# Altium PCB MBoard.PcbDoc (part 1 of 2) (continued)
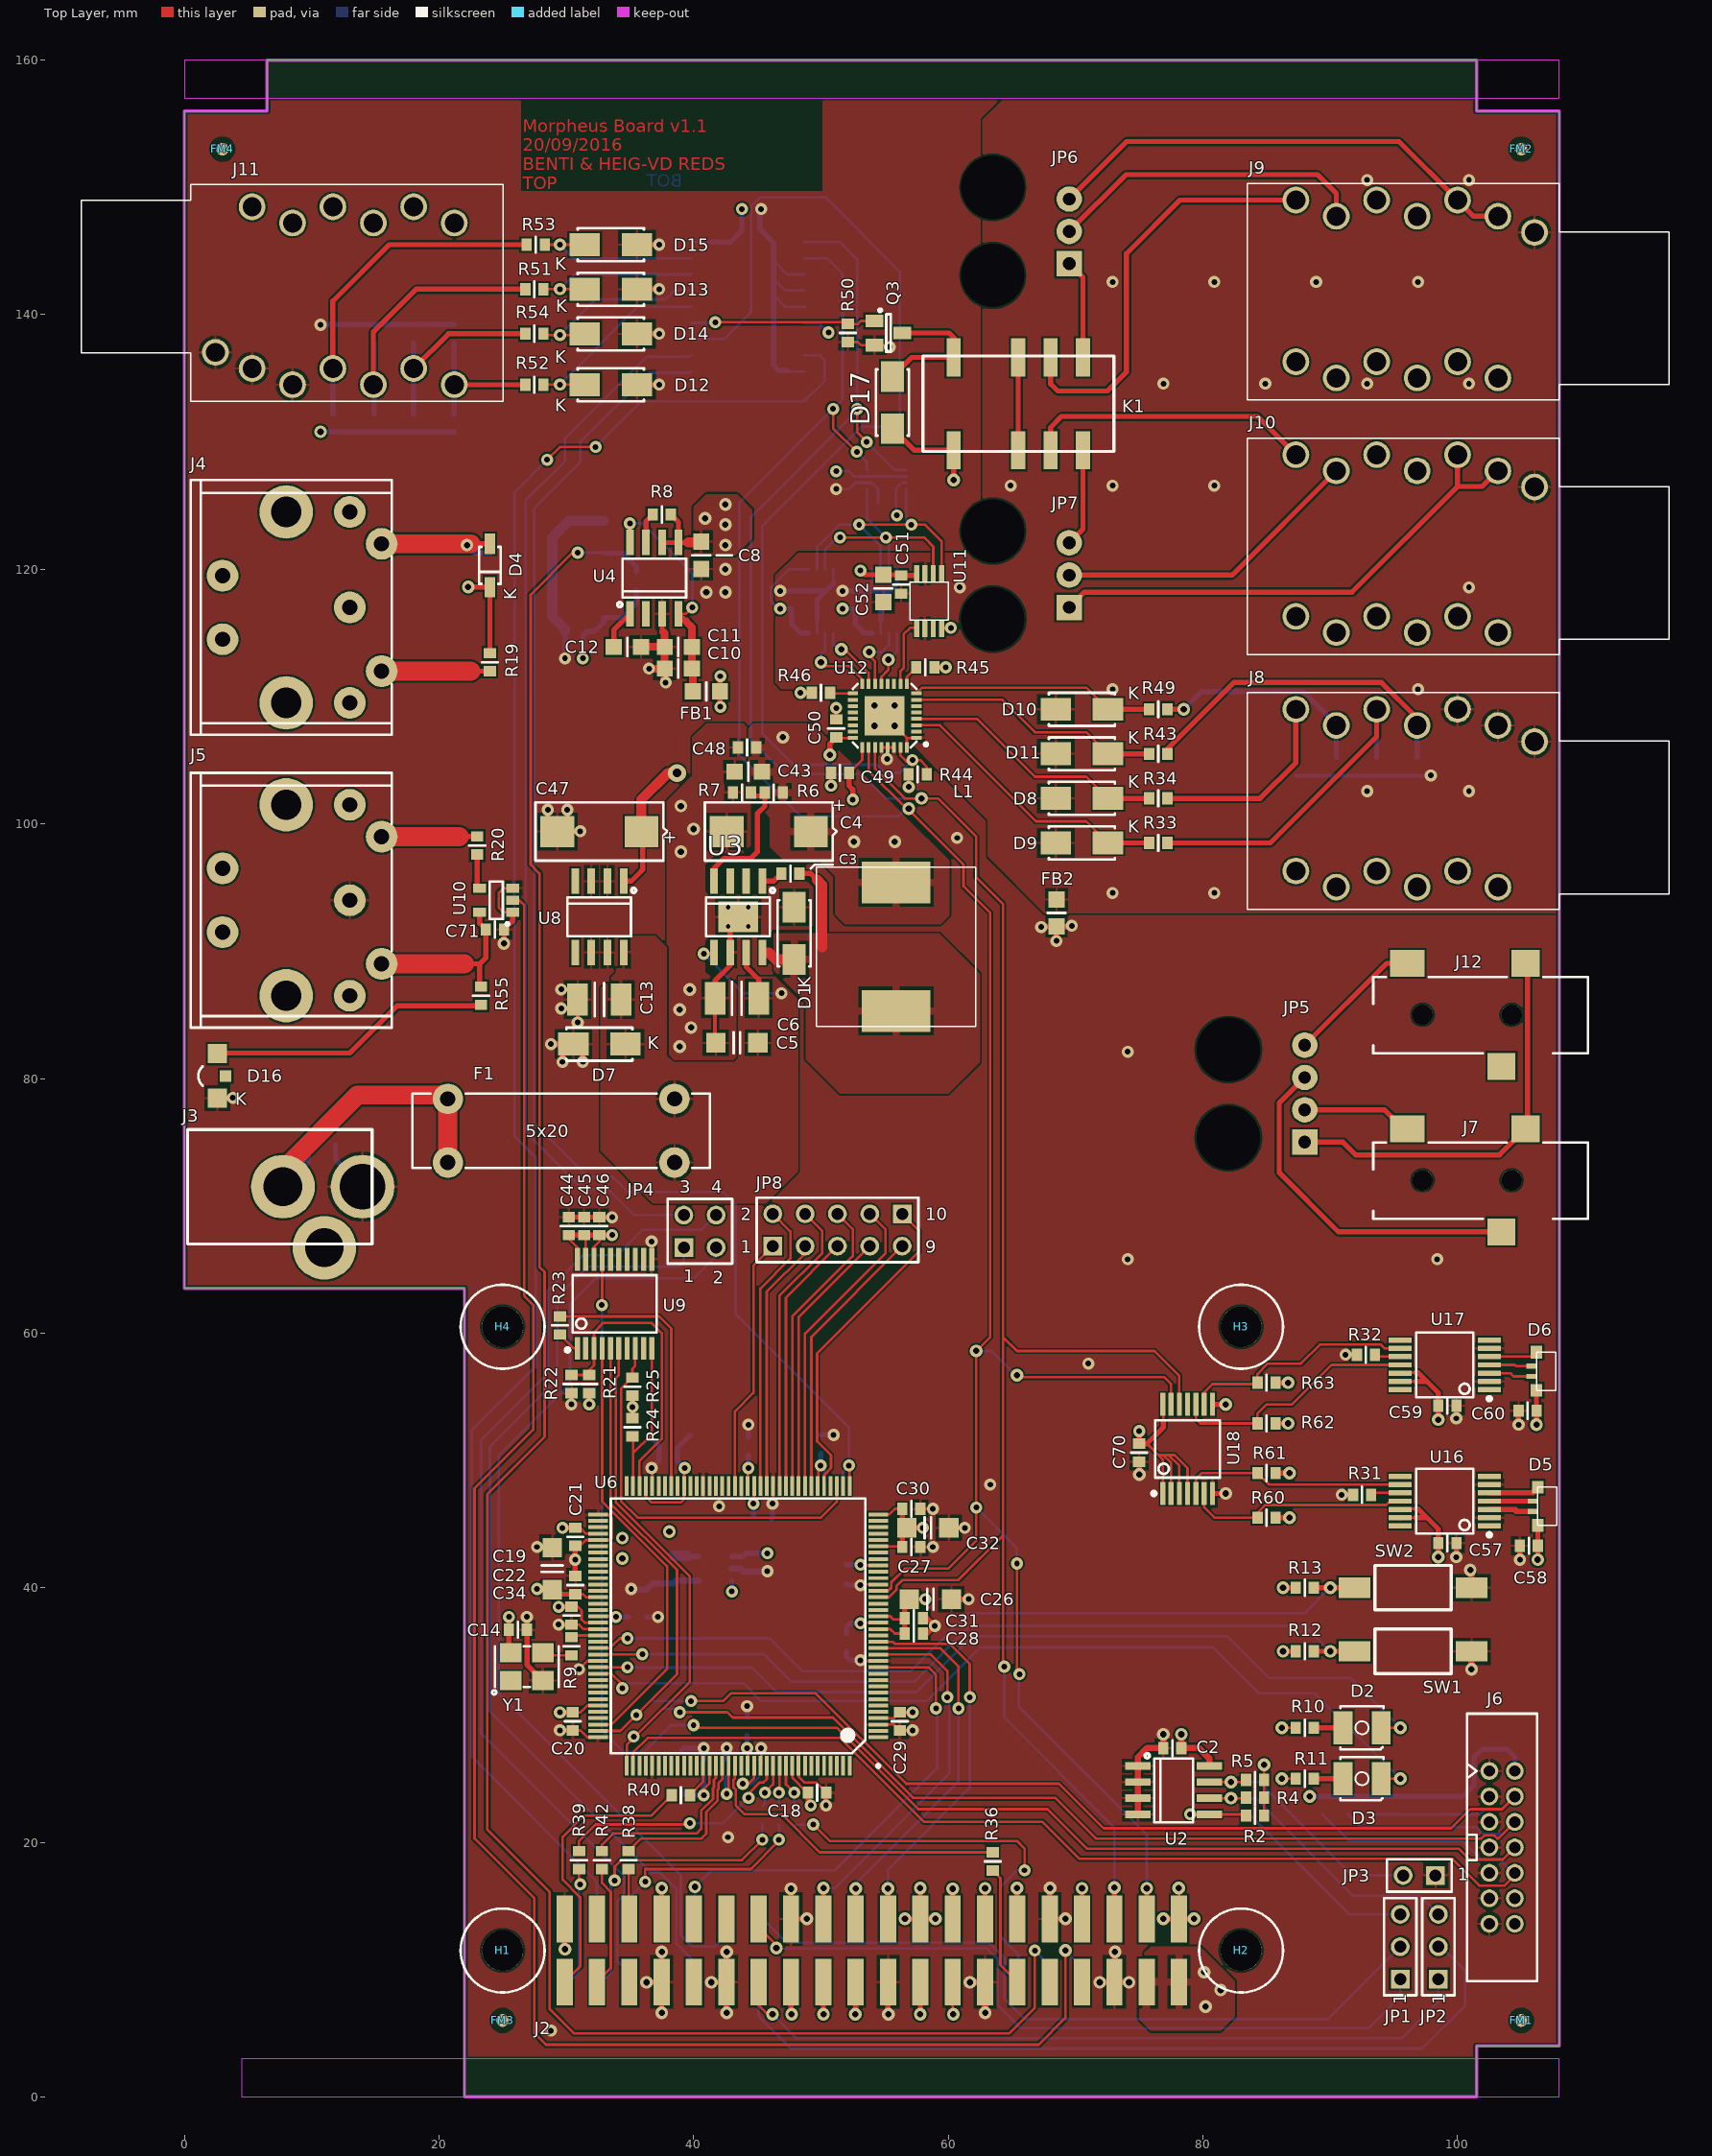
[diagram p0: Top Layer view]
## Footprints (in the part's own frame and the unit in brackets; to place one, negate y for a bottom-side part, rotate by r counter-clockwise, add the part's x,y. Pads: shape width x height; smd on the part's side, far side on the other; paste and mask are expansions set on the pad) (continued)
FIDUCIAL_MARK [mm] "Fiducial Mark for automated assembly"
  round 1 smd paste-1 mask+0.5: NC(0,0)
HEADER3_WIRE [mm]
  rect 2x2 hole 1: 1(0,0)
  round 2 hole 1: 2(0,2.54) 3(0,5.08)
  round 2 hole 5 unplated paste+0: H(-6,-0.92) H(-6,6)
HEADER4_WIRE [mm]
  rect 2x2 hole 1: 1(0,0)
  round 2 hole 1: 2(0,2.54) 3(0,5.08) 4(0,7.62)
  round 2 hole 5 unplated paste+0: H(-6,0.35) H(-6,7.27)
"HOLE_3.2MM - No Plated" [mm]
  round 3.2 hole 3.2 unplated: 1(0,0)
  silkscreen extent -3.3,-3.3 3.3,3.3
"MALE BOX HEADER 2MM 14P" [mm] "Male Box Header 14 poles - Pitch 2mm"
  round 1.4 hole 0.9: 1(-6,-1) 2(-6,1) 3(-4,-1) 4(-4,1) 5(-2,-1) 6(-2,1) 7(0,-1) 8(0,1) 9(2,-1) 10(2,1) 11(4,-1) 12(4,1) 13(6,-1) 14(6,1)
  silkscreen extent -10.5,-2.75 10.5,2.75, body extent -10.6,-2.75 10.6,2.75, height 5.6
MSOP-8 [mm] "Package MSOP-8  3.1x3.1 0.65 pitch (8-uMAX)"
  rect 0.42x1.5 smd: 1(-0.975,-2.5) 2(-0.325,-2.5) 3(0.325,-2.5) 4(0.975,-2.5) 5(0.975,2.5) 6(0.325,2.5) 7(-0.325,2.5) 8(-0.975,2.5)
  silkscreen extent -1.94,-1.98 1.52,1.3, body extent -1.55,-2.48 1.55,2.48, height 1.24
NSJ12HF-1 [mm] "Neutronik Stacked Jack 6.35mm"
  round 2.1 hole 1.5: G(6.05,-2.54) RB(-3.17,-1.27) RNB(-3.17,-13.97) RNT(-6.35,-12.7) RT(-6.35,0) SB(3.174,-1.27) SNB(3.174,-13.97) SNT(0,-12.7) ST(0,0) TB(-9.52,-1.27) TNB(-9.52,-13.97) TNT(-12.7,-12.7) TT(-12.7,0)
  silkscreen extent -16.53,-15.71 16.6,1.3, body extent -16.53,-15.71 16.37,1.29, height 31.75
PLCC_2 [mm]
  rect 1.5x2.6 smd: 1(-1.5,0) 2(1.5,0)
  silkscreen extent -1.7,-1.7 1.7,1.7, body extent -1.75,-1.4 1.75,1.4, height 1.55
RAPC722X [mm]
  round 5 hole 3.56: 1(-6.49,0)
  round 5 hole 3.05: 2(-0.24,0) 3(-3.49,4.8)
  silkscreen extent -7.25,-4.5 7.25,4.5, body extent -7.25,-4.5 7.23,4.5, height 11
S_1101F_GREEN [mm] "LED,Chip,Right Angle,3.0mm L X 2.0mm W X 1.0mm H"
  rect 0.9x0.9 smd: 0(0,-0.65)
  rect 1.5x1.5 smd: 1(-1.75,0) 2(1.75,0)
  silkscreen extent -0.76,1.15 0.76,1.5, body extent -1.5,-0.55 1.5,1.5, height 1
SDIP-8 [mm] "SMD DIP-8, pitch 2.54, body 9.8mmx6.35mm"
  rect 1.016x2 smd: 1(-3.81,-4.45) 4(3.81,-4.45) 5(3.81,4.45) 8(-3.81,4.45)
  rect 1.27x2 smd: 2(-1.27,-4.45) 3(1.27,-4.45) 6(1.27,4.45) 7(-1.27,4.45)
  silkscreen extent -5.08,-3.95 5,2.3, body extent -4.95,-4.95 4.95,4.95, height 4.35
SM/C_0603 [mil]
  rect 32x38 smd: 1(-28,0) 2(28,0)
  silkscreen extent 0,-25 0,25, body extent -31,-16 31,16, height 31
SM/C_0805 [mil]
  rect 50x50 smd: 1(-42,0) 2(42,0)
  silkscreen extent 0,-28 0,28, body extent -39,-24 39,24, height 47
SM/C_1206 [mil]
  rect 60x60 smd: 1(-65,0) 2(65,0)
  silkscreen extent -10,-32 10,32, body extent -63,-31 63,31, height 63
SM/C_1210 [mil]
  rect 64x100 smd: 1(-67.5,0) 2(67.5,0)
  silkscreen extent -15,-51 15,51, body extent -63,-49 63,49
SM/CT_7343_12_D [mil]
  rect 104x96 smd: 1(-130,0) 2(130,0)
  silkscreen extent -210,-90 197,90, body extent -144,-85 144,85, height 111
"SM/D_DO214-AC (SMA)" [mm] "DO-214-AC/SMA; 2 C-Bend Leads; Body 5 x 2.7 mm, inc. leads (LxW)"
  rect 2.4x1.8 smd: 1(-2.05,0) 2(2.05,0)
  silkscreen extent -2.6,-1.3 2.6,1.3, body extent -2.6,-1.3 2.6,1.3, height 2.4
SM/D_SOD123-A1C2 [mm] "SOD-123; 2 Leads; Body 2.7 x 1.6 mm, (LxW)"
  rect 1.6x0.8 smd: 1(-1.7,0) 2(1.7,0)
  silkscreen extent -1.45,-0.85 1.45,0.85, body extent -1.93,-0.85 1.93,0.85, height 1.42
SM/L_0805 [mil]
  rect 50x50 smd: 1(-42,0) 2(42,0)
  silkscreen extent 0,-28 0,28, body extent -39,-24 39,24, height 47
SM/R_0603 [mil]
  rect 32x38 smd: 1(-28,0) 2(28,0)
  silkscreen extent 0,-25 0,25, body extent -31,-16 32,16, height 21
"SOIC-8 - N" [mm] "SOIC-8 / Body 5x4x1.75mm / Pitch 1.27mm  / 8 Pins"
  rect 0.6x2 smd: 1(-1.905,-2.8) 2(-0.635,-2.8) 3(0.635,-2.8) 4(1.905,-2.8) 5(1.905,2.8) 6(0.635,2.8) 7(-0.635,2.8) 8(-1.905,2.8)
  silkscreen extent -2.87,-2.25 2.52,1.52, body extent -2.45,-3 2.45,3, height 1.7
"SOIC-8 - N - Power Pad" [mm] "SOIC-8 / Body 5x4x1.75mm / Pitch 1.27mm  / 8 Pins"
  rect 0.6x2 smd: 1(-1.905,-2.8) 2(-0.635,-2.8) 3(0.635,-2.8) 4(1.905,-2.8) 5(1.905,2.8) 6(0.635,2.8) 7(-0.635,2.8) 8(-1.905,2.8)
  rect 3.1x2.4 smd: 9(0,0)
  silkscreen extent -2.87,-2.25 2.52,1.52, body extent -2.45,-3 2.45,3, height 1.7
"SOIC-18 - W" [mm] "SOIC-18 - Body 11.5x7.62mm - pitch 1.27mm  - 18 pins"
  rect 0.6x2 smd: 1(0,0) 2(1.27,0) 3(2.54,0) 4(3.81,0) 5(5.08,0) 6(6.35,0) 7(7.62,0) 8(8.89,0) 9(10.16,0) 10(10.16,8.89) 11(8.89,8.89) 12(7.62,8.89) 13(6.35,8.89) 14(5.08,8.89) 15(3.81,8.89) 16(2.54,8.89) 17(1.27,8.89) 18(0,8.89)
  silkscreen extent -1.03,0.4 10.8,7.62, body extent -0.79,-0.86 10.96,9.75, height 2.57
SOT23 [mm] "IC Package SOT23- Body 2.9x1.3x0.95mm"
  rect 1x1.4 smd: 1(-0.95,-1.1) 2(0.95,-1.1) 3(0,1.1)
  silkscreen extent -1.89,-0.76 1.47,0.17, body extent -1.46,-1.17 1.46,1.17, height 1
SOT23-5 [mm] "IC Package SOT23-5 - Body 2.9x1.6x1.45mm"
  rect 0.7x1 smd: 1(-0.95,-1.3) 2(0,-1.3) 3(0.95,-1.3) 4(0.95,1.3) 5(-0.95,1.3)
  silkscreen extent -1.96,-0.98 1.48,0.52, body extent -1.5,-1.5 1.5,1.5, height 1.3
SSM-120 [mm]
  rect 1.02x2.22 smd paste+0: 1(24.13,-2.825) 2(24.13,2.825) 3(21.59,-2.825) 4(21.59,2.825) 5(19.05,-2.825) 6(19.05,2.825) 7(16.51,-2.825) 8(16.51,2.825) 9(13.97,-2.825) 10(13.97,2.825) 11(11.43,-2.825) 12(11.43,2.825) 13(8.89,-2.825) 14(8.89,2.825) 15(6.35,-2.825) 16(6.35,2.825) 17(3.81,-2.825) 18(3.81,2.825) 19(1.27,-2.825) 20(1.27,2.825) 21(-1.27,-2.825) 22(-1.27,2.825) 23(-3.81,-2.825) 24(-3.81,2.825) 25(-6.35,-2.825) 26(-6.35,2.825) 27(-8.89,-2.825) 28(-8.89,2.825) 29(-11.43,-2.825) 30(-11.43,2.825) 31(-13.97,-2.825) 32(-13.97,2.825) 33(-16.51,-2.825) 34(-16.51,2.825) 35(-19.05,-2.825) 36(-19.05,2.825) 37(-21.59,-2.825) 38(-21.59,2.825) 39(-24.13,-2.825) 40(-24.13,2.825)
  body extent -25.4,-3.53 25.4,3.51, height 7.37
"TE Connectivity_SWITCH_SERIES-FSMSM" [mm] "INTERRUPTEUR TACTILE MINIATURE"
  rect 2.5x1.6 smd: 1(-4.6,0) 2(4.6,0)
  silkscreen extent -3,-1.75 3,1.75, body extent -5.24,-1.75 5.24,1.75, height 4.72
TQFP-144 [mm] "Thin QFP, 144-Leads, Body 20x20mm, Pitch 0.5mm, IPC High Density"
  rect 1.55x0.3 smd: 1(-11,8.75) 2(-11,8.25) 3(-11,7.75) 4(-11,7.25) 5(-11,6.75) 6(-11,6.25) 7(-11,5.75) 8(-11,5.25) 9(-11,4.75) 10(-11,4.25) 11(-11,3.75) 12(-11,3.25) 13(-11,2.75) 14(-11,2.25) 15(-11,1.75) 16(-11,1.25) 17(-11,0.75) 18(-11,0.25) 19(-11,-0.25) 20(-11,-0.75) 21(-11,-1.25) 22(-11,-1.75) 23(-11,-2.25) 24(-11,-2.75) 25(-11,-3.25) 26(-11,-3.75) 27(-11,-4.25) 28(-11,-4.75) 29(-11,-5.25) 30(-11,-5.75) 31(-11,-6.25) 32(-11,-6.75) 33(-11,-7.25) 34(-11,-7.75) 35(-11,-8.25) 36(-11,-8.75) 73(11,-8.75) 74(11,-8.25) 75(11,-7.75) 76(11,-7.25) 77(11,-6.75) 78(11,-6.25) 79(11,-5.75) 80(11,-5.25) 81(11,-4.75) 82(11,-4.25) 83(11,-3.75) 84(11,-3.25) 85(11,-2.75) 86(11,-2.25) 87(11,-1.75) 88(11,-1.25) 89(11,-0.75) 90(11,-0.25) 91(11,0.25) 92(11,0.75) 93(11,1.25) 94(11,1.75) 95(11,2.25) 96(11,2.75) 97(11,3.25) 98(11,3.75) 99(11,4.25) 100(11,4.75) 101(11,5.25) 102(11,5.75) 103(11,6.25) 104(11,6.75) 105(11,7.25) 106(11,7.75) 107(11,8.25) 108(11,8.75)
  rect 0.3x1.55 smd: 37(-8.75,-11) 38(-8.25,-11) 39(-7.75,-11) 40(-7.25,-11) 41(-6.75,-11) 42(-6.25,-11) 43(-5.75,-11) 44(-5.25,-11) 45(-4.75,-11) 46(-4.25,-11) 47(-3.75,-11) 48(-3.25,-11) 49(-2.75,-11) 50(-2.25,-11) 51(-1.75,-11) 52(-1.25,-11) 53(-0.75,-11) 54(-0.25,-11) 55(0.25,-11) 56(0.75,-11) 57(1.25,-11) 58(1.75,-11) 59(2.25,-11) 60(2.75,-11) 61(3.25,-11) 62(3.75,-11) 63(4.25,-11) 64(4.75,-11) 65(5.25,-11) 66(5.75,-11) 67(6.25,-11) 68(6.75,-11) 69(7.25,-11) 70(7.75,-11) 71(8.25,-11) 72(8.75,-11) 109(8.75,11) 110(8.25,11) 111(7.75,11) 112(7.25,11) 113(6.75,11) 114(6.25,11) 115(5.75,11) 116(5.25,11) 117(4.75,11) 118(4.25,11) 119(3.75,11) 120(3.25,11) 121(2.75,11) 122(2.25,11) 123(1.75,11) 124(1.25,11) 125(0.75,11) 126(0.25,11) 127(-0.25,11) 128(-0.75,11) 129(-1.25,11) 130(-1.75,11) 131(-2.25,11) 132(-2.75,11) 133(-3.25,11) 134(-3.75,11) 135(-4.25,11) 136(-4.75,11) 137(-5.25,11) 138(-5.75,11) 139(-6.25,11) 140(-6.75,11) 141(-7.25,11) 142(-7.75,11) 143(-8.25,11) 144(-8.75,11)
  silkscreen extent -11.13,-10 10,11.12, body extent -11,-11 11,11, height 1.8
TSM-120-04-L-DV [mm]
  rect 1.27x3.68 smd paste+0: 1(24.13,2.475) 2(24.13,-2.475) 3(21.59,2.475) 4(21.59,-2.475) 5(19.05,2.475) 6(19.05,-2.475) 7(16.51,2.475) 8(16.51,-2.475) 9(13.97,2.475) 10(13.97,-2.475) 11(11.43,2.475) 12(11.43,-2.475) 13(8.89,2.475) 14(8.89,-2.475) 15(6.35,2.475) 16(6.35,-2.475) 17(3.81,2.475) 18(3.81,-2.475) 19(1.27,2.475) 20(1.27,-2.475) 21(-1.27,2.475) 22(-1.27,-2.475) 23(-3.81,2.475) 24(-3.81,-2.475) 25(-6.35,2.475) 26(-6.35,-2.475) 27(-8.89,2.475) 28(-8.89,-2.475) 29(-11.43,2.475) 30(-11.43,-2.475) 31(-13.97,2.475) 32(-13.97,-2.475) 33(-16.51,2.475) 34(-16.51,-2.475) 35(-19.05,2.475) 36(-19.05,-2.475) 37(-21.59,2.475) 38(-21.59,-2.475) 39(-24.13,2.475) 40(-24.13,-2.475)
  body extent -25.4,-3.89 25.4,3.81, height 7.22
TSSOP-14 [mm] "Thin-shrink small Outline Package (TSSOP), 14-Leads, Body 5.1x4.5mm (max), Pitch 0.65mm, Recommended Pattern"
  rect 1.8x0.4 smd: 1(-3.5,1.95) 2(-3.5,1.3) 3(-3.5,0.65) 4(-3.5,0) 5(-3.5,-0.65) 6(-3.5,-1.3) 7(-3.5,-1.95) 8(3.5,-1.95) 9(3.5,-1.3) 10(3.5,-0.65) 11(3.5,0) 12(3.5,0.65) 13(3.5,1.3) 14(3.5,1.95)
  silkscreen extent -3.61,-2.55 2.25,2.77, body extent -3.2,-2.5 3.2,2.5, height 1.1
TSSOP-20 [mm] "Thin-shrink small Outline Package (TSSOP), 20-Leads, Body 6.6x4.5mm (max), Pitch 0.65mm"
  rect 1.8x0.4 smd: 1(-3.5,2.925) 2(-3.5,2.275) 3(-3.5,1.625) 4(-3.5,0.975) 5(-3.5,0.325) 6(-3.5,-0.325) 7(-3.5,-0.975) 8(-3.5,-1.625) 9(-3.5,-2.275) 10(-3.5,-2.925) 11(3.5,-2.925) 12(3.5,-2.275) 13(3.5,-1.625) 14(3.5,-0.975) 15(3.5,-0.325) 16(3.5,0.325) 17(3.5,0.975) 18(3.5,1.625) 19(3.5,2.275) 20(3.5,2.925)
  silkscreen extent -3.74,-3.3 2.25,3.82, body extent -3.27,-3.3 3.28,3.3, height 1.2
uMAX-8 [mm]
  rect 1.35x0.4 smd paste+0: 1(-2.15,0.975) 2(-2.15,0.325) 3(-2.15,-0.325) 4(-2.15,-0.975) 5(2.15,-0.975) 6(2.15,-0.325) 7(2.15,0.325) 8(2.15,0.975)
  silkscreen extent -1.5,-1.5 1.5,1.5, body extent -1.5,-1.5 1.5,1.5, height 1.1
"VFQFN-32_(32-Lead LFCSP_VQ)" [mm] "IC Package VQFQFN-32 (32-Lead LFCSP_VQ)"
  rect 0.8x0.3 smd mask+0.1: 1(-2.5,1.75) 2(-2.5,1.25) 3(-2.5,0.75) 4(-2.5,0.25) 5(-2.5,-0.25) 6(-2.5,-0.75) 7(-2.5,-1.25) 8(-2.5,-1.75) 17(2.5,-1.75) 18(2.5,-1.25) 19(2.5,-0.75) 20(2.5,-0.25) 21(2.5,0.25) 22(2.5,0.75) 23(2.5,1.25) 24(2.5,1.75)
  rect 0.3x0.8 smd mask+0.1: 9(-1.75,-2.5) 10(-1.25,-2.5) 11(-0.75,-2.5) 12(-0.25,-2.5) 13(0.25,-2.5) 14(0.75,-2.5) 15(1.25,-2.5) 16(1.75,-2.5) 25(1.75,2.5) 26(1.25,2.5) 27(0.75,2.5) 28(0.25,2.5) 29(-0.25,2.5) 30(-0.75,2.5) 31(-1.25,2.5) 32(-1.75,2.5)
  rect 3.1x3.1 smd mask+0.1: 33(0,0)
  silkscreen extent -3.38,-2.5 2.5,2.5, body extent -2.5,-2.5 2.5,2.5, height 1.01
VSSOP-8 [mm] "Very Shrink Small Outline Package"
  rect 0.75x0.25 smd: 1(0,0) 2(0,-0.5) 3(0,-1) 4(0,-1.5) 5(3.1,-1.5) 6(3.1,-1) 7(3.1,-0.5) 8(3.1,0)
  silkscreen extent 0.6,-1.75 2.5,0.25, body extent 0.02,-1.9 3.13,0.4, height 0.82

## Part data
C1 C2 C7 C16 C17 C18 C20 C21 C22 C24 C25 C27 C28 C29 C31 C32 C33 C34 C35 C37 C38 C39 C40 C41 C42 C44 C45 C46 C48 C49 C50 C51 C53 C54 C55 C56 C70 C71: library part 182, "Ceramic multi-layer"
C3: library part 183, "Ceramic multi-layer"
C4 C47: "Tantalum Polymer 40mOhm ESR"
C5 C15 C19 C23 C26 C30 C36: library part 1985, "Chip Monolithic Ceramic Capacitor"
C6 C13: library part 2228, "CONDENSATEUR 4.7UF 50V X7R 1210"
C8 C52: library part 405, "Ceramic multi-layer"
C9 C11: library part 397, "Ceramic Chip Capacitor"
C10 C43: library part 398, "Ceramic multi-layer"
C12: library part 2064, "Ceramic Chip Capacitor"
C14: library part 195, "Capacitor, ceramic"
C57 C58 C59 C60: library part 5, "Ceramic multi-layer"
C61: library part 395, "Ceramic Chip Capacitor"
C62 C63 C64 C65 C66 C67 C68 C69: library part 216, "Capacitor, ceramic"
D1 D17: "DIODE SCHOTTKY 30V 3A SMA"
D2 D3: library part 2254, "SMT LED Green, Single Color PLCC-2 Type"
D4: library part 2165, "DIODE SWITCH 100V 0.15A"
D5 D6: library part "Led RGB RA", "3.0x1.0mm RIGHT ANGLE SMD CHIP LED  LAMP"
D7: library part 565, "Transil™ diode"
D8 D9 D10 D11: library part 558, "Transil™ diode"
D12 D13 D14 D15: library part 556, "Transil™ diode"
D16: "SMT LED, 1001F Series, Single Color Right Angle Type (3.0 X 2.0 mm)"
F1: library part 2193, "Porte-fusibles, OG ø 5 x 20 mm OG"
FB1 FB2: library part 1991, "PERLE DE FERRITE 0805. 220 OHMS/100MHz"
H1 H2 H3 H4: library part 143, "Trou de fixation 3.2mm non métalisé pour vis M3"
J1: "Mating (female) connector for the RPi 3"
J2: "Mating (male) connector for the RPi 3"
J3: "DC Power Connectors PCB 2.1MM"
J4 J5: library part 349, "Connecteur MIDI Jack 5 pôles"
J6: library part 354, "Male Box Header 14 poles"
J7 J12: library part 402, "Connecteur Jack 3.5mm"
J8 J9 J10 J11: library part "Jack 6.35 NSJ12HF-1", "Neutronik 2xJack 6.35 connector"
JP1 JP2: library part 41, "Barrette simple 3 poles 2.54mm"
JP3: library part 102, "Barrette simple 2 poles 2.54mm"
JP4: library part 71, "Barrette double 2x2 poles 2.54mm"
JP8: library part 74, "Barrette double 2x5 poles 2.54mm"
K1: "Miniature Signal Relay"
L1: "INDUCTOR POWER 18UH 4.2A SMD"
Q3: library part 2083, "MOSFET N-CH 25V 220MA SOT-23"
R2 R4 R60 R61 R62 R63: library part 123, "Résistance 0603 63mW 1% 3K9"
R5: library part 109, "Résistance 0603 63mW 1% 1K"
R6 R12 R13 R26 R27 R28 R44 R50: library part 133, "Résistance 0603 63mW 1% 10K"
R7: "Résistance 0603 100mW 1% 3.24K"
R8: library part 169, "Résistance 0603 63mW 1% 330K"
R9 R23: library part 73, "Résistance 0603 63mW 1% 33R"
R10 R11: library part 86, "Résistance 0603 63mW 1% 110R"
R18 R19 R20: library part 93, "Résistance 0603 63mW 1% 220R"
R21 R22 R33 R34 R43 R49 R51 R52 R53 R54: library part 85, "Résistance 0603 63mW 1% 100R"
R24 R25: library part 125, "Résistance 0603 63mW 1% 4K7"
R29 R30 R47 R48 R57: library part 157, "Résistance 0603 63mW 1% 100K"
R31 R32: "Résistance 0603 100mW 1% 57k6"
R35 R36 R37 R38 R39 R40 R41 R42: library part 2128, "Résistance 0603 100mW 1% 0R"
R45 R46: library part 92, "Résistance 0603 63mW 1% 200R"
R55: library part 89, "Résistance 0603 63mW 1% 150R"
SW1 SW2: library part 2027, "SWITCH TACTILE SPST-NO 0.05A 12V"
U1: "8-Bit I/O Expander with Serial Interface (SOIC)"
U2: library part CAT24C32W, "32-Kb I2C CMOS Serial  EEPROM"
U3: "IC REG BUCK ADJ 3A 8SO"
U4: library part 2183, "LP2989 500mA Linear Voltage Regulator for Digital Applications"
U5: "Régulateur LDO +1.2V, 300mA"
U6: library part 2185, "XC2C256 Spartan-6 LX 1.2V FPGA, 102 User I/Os, 144-Pin TQFP (0.5mm Pitch), Speed Grade 2, Commercial Grade, Pb-FreeCoolRunner-II CPLD 256-BGA"
U7: "High Speed Optocoupler"
U8: "Régulateur LDO +8.0V, 150mA"
U9: "Platform Flash In-System Programmable Configuration PROMs"
U10: "Buffers & Line Drivers Tri-State Single Bus"
U11: library part MAX11644, "ADC 12Bit I2C"
U12: "Switch 8x8"
U13: "I2C Digital pot 10K"
U14: library part TCA9406, "I2C Voltage level translator"
U15: "I2C Digital pot 50K"
U16 U17: "Triple Output I2C Controlled RGB LED Driver"
U18: "2-Channel I2C Bus Switch With Interrupt Logic and Reset"
Y1: library part 2297, "Oscillateur SMD 5mmx3.2mmx0.85mm"

## Via types
v1: diameter 0.95, hole 0.45, Top Layer to Bottom Layer, 110 vias
v2: diameter 1, hole 0.5, Top Layer to Bottom Layer, 80 vias
v3: diameter 0.95, hole 0.45, Top Layer to Bottom Layer, tented top, 53 vias
v4: diameter 0.95, hole 0.45, Top Layer to Bottom Layer, tented bottom, 16 vias
v5: diameter 1, hole 0.5, Top Layer to Bottom Layer, tented both sides, 15 vias
v6: diameter 1, hole 0.5, Top Layer to Bottom Layer, tented top, 14 vias
v7: diameter 0.95, hole 0.45, Top Layer to Bottom Layer, tented both sides, 10 vias
v8: diameter 0.8, hole 0.35, Top Layer to Bottom Layer, 4 vias
v9: diameter 1, hole 0.5, Top Layer to Bottom Layer, tented bottom, 2 vias
v10: diameter 1.4, hole 0.7, Top Layer to Bottom Layer, 1 vias
v11: diameter 0.95/0.95 (per signal layer), hole 0.45, Top Layer to Bottom Layer, 1 vias

## Nets (pads, with @x,y where several pads share a name; then routed paths per layer and width w, separated by ;. In a path a pad name is that pad's centre, name@x,y a point inside that pad or via, vN(x,y) a via of type N, cw(c..) or ccw(c..) an arc to the next point about the centre after c; other vN are vias at no path point)
3V3: C1.1 C2.1 C7.1 C8.1 C14.1 C15.1 C16.1 C17.1 C18.1 C19.1 C20.1 C21.1 C22.1 C23.1 C24.1 C25.1 C26.1 C27.1 C28.1 C29.1 C30.1 C31.1 C32.1 C33.1 C34.1 C35.1 C42.2 C44.1 C45.1 C46.1 C49.1 C54.1 C70.1 D17.2 J6.2 K1.1 R2.1 R4.1 R5.1 R8.1 R10.1 R11.1 R12.1 R13.1 R18.1 R21.1 R24.1 R25.1 R26.1 R27.1 R28.1 R29.1 R30.1 R44.1 R47.1 R48.1 R57.2 U1.6 U1.18 U2.8 U4.5 U4.6 U5.1 U5.3 U6.4 U6.18 U6.20 U6.31 U6.36 U6.42 U6.53 U6.63 U6.69 U6.76 U6.86 U6.90 U6.103 U6.122 U6.125 U6.129 U6.135 U7.8 U9.18 U9.19 U9.20 U12.25 U14.3 U14.6 U18.1 U18.2 U18.3 U18.4 U18.8 U18.14 Y1.4 | length 193.1
  Top Layer w0.2: C44.1@30.2,67.689 30.2,67.4 30.875,66.725 U9.20@30.875,65.8 ; C34.1@30.4,38.511 30.889,38.511 31.2,38.2 31.2,37.5 31.45,37.25 U6.90@32.5,37.25 ; C20.1@30.5,30.211 31.111,30.211 31.65,30.75 U6.103@32.5,30.75 ; C22.1@30.7,39.489 31.311,39.489 31.55,39.25 U6.86@32.5,39.25 ; C21.1@30.7,44.711 31.089,44.711 31.55,44.25 U6.76@32.5,44.25 ; C45.1@31.4,67.689 31.525,67.564 U9.19@31.525,65.8 ; U9.18@32.175,65.8 32.175,66.775 32.6,67.2 C46.1@32.6,67.689 ; U6.69@36.25,48 36.25,47.15 36.7,46.7 39,46.7 39.25,46.95 U6.63@39.25,48 39.25,49.35 v3(39.3,49.4) ; v1(40.8,23.7) 40.8,24.2 41.25,24.65 U6.122@41.25,26 ; v11(42.6,23.8) 42.75,23.95 U6.125@42.75,26 ; v7(43.86,24.6) 44.3,24.6 44.75,25.05 U6.129@44.75,26 ; U6.53@44.25,48 44.25,49.35 v3(44.3,49.4) ; U6.135@47.75,26 47.75,25.075 48.925,23.9 C18.1@48.989,23.9 ; U6.42@49.75,48 49.8,48.05 49.8,49.425 v3(49.975,49.6) ; C49.1@52.211,104 53.25,105.039 U12.25@53.25,106 ; U6.4@54.5,29.75 55.739,29.75 C29.1@56.2,30.211 57.189,30.211 v1(57.2,30.2) ; U6.18@54.5,36.75 55.45,36.75 55.8,36.4 C28.1@56.589,36.4 ; U6.20@54.5,37.75 55.45,37.75 55.7,37.5 56.489,37.5 C31.1@56.589,37.6 ; U6.31@54.5,43.25 C27.1@56.339,43.25 ; U6.36@54.5,45.75 55.35,45.75 55.8,46.2 C32.1@56.389,46.2 ; C26.1@56.589,38.74 C26.1@56.949,39.1 v3(58.2,39.1) ; R44.1@56.889,103.9 56.889,102.911 v3(56.9,102.9) ; 75.611,51.311 76.5,50.422 ; 76.8,50.422 76.5,50.422 ; U18.1@76.85,47.4 76.85,50.073 76.5,50.422 ; U18.14@76.85,54.4 76.9,54.349 76.9,53.1 ; U18.2@77.5,47.4 77.5,49.8 76.878,50.422 77.3,50.422 ; U18.3@78.15,47.4 78.15,49.573 77.3,50.422 ; U18.4@78.8,47.4 78.8,49.4 77.778,50.422 77.3,50.422 ; v2(84.8,26.1) 84.811,26.089 R2.1@84.811,22.1 ; v2(86.2,25) R11.1@87.289,25 ; v2(86.2,29) R10.1@87.289,29
  Top Layer w0.4: v1(25.5,37.7) 25.489,37.689 C14.1@25.489,36.7 25.489,35.041 Y1.4@25.63,34.9 ; v1(27.7,39.9) 27.751,39.849 C19.1@28.9,39.849 29.26,39.489 C22.1@30.7,39.489 ; v3(29.4,38.5) 29.411,38.511 C34.1@30.4,38.511 ; v1(29.5,30.2) 29.511,30.211 C20.1@30.5,30.211 ; v3(29.7,44.7) 29.711,44.711 C21.1@30.7,44.711 ; C44.1@30.2,67.689 C45.1@31.4,67.689 C46.1@32.6,67.689 33.589,67.689 v1(33.6,67.7) ; v3(31.8,54.4) R21.1@31.8,55.289 ; R24.1@35.2,53.311 v1(35.2,54.2) R25.1@35.2,55.089 ; U4.6@37.535,122.1 U4.5@38.805,122.1 ; R8.1@38.211,124.3 38.805,123.706 U4.5@38.805,122.1 ; 39.6,122.1 U4.5@38.805,122.1 ; C18.1@48.989,23.9 48.989,23.111 v7(49.2,22.9) ; C49.1@52.211,104 52.211,102.989 52.5,102.7 v1(52.5,101.9) ; D17.2@55.626,131.046 57.317,129.355 K1.1@60.42,129.355 60.42,127.032 v2(60.432,127.02) ; C27.1@56.339,43.25 56.389,43.3 C32.1@56.389,46.2 ; C28.1@56.589,36.4 C31.1@56.589,37.6 C26.1@56.589,38.74 ; C30.1@56.749,44.7 v3(58,44.7) ; v1(75,52.3) C70.1@75,51.311 75.611,51.311 76.9,52.6 76.9,53.1 ; U18.8@80.75,54.4 v2(81.8,54.4) ; v2(86.3,35) R12.1@87.289,35 ; v2(86.3,40) R13.1@87.289,40
  Top Layer w0.5: v6(78.311,28.489) C2.1@78.311,27.4 79.7,27.4 80.5,26.6 U2.8@80.5,26.005
  Top Layer w0.8: 39.6,122.1 40.533,122.1 C8.1@40.6,122.167
  Bottom Layer w0.2: U1.18@39.81,145.7 41.4,145.7 ; v7(43.86,24.6) 44.611,24.6 C16.1@45.1,25.089 ; U1.6@48.7,139.35 49.85,139.35 v4(50.6,138.6) ; v3(49.975,49.6) 50.289,49.286 R57.2@50.289,48.3 ; C25.1@49.975,50.564 C25.1@50,50.589 ; v1(51.2,127.7) 51.211,127.711 C54.1@52.2,127.711 52.611,127.3 U14.3@53.6,127.3 U14.6@56.7,127.3
  Bottom Layer w0.4: v2(10.7,130.8) 11.689,130.8 R48.1@11.7,130.789 R30.1@14.9,130.789 R47.1@18,130.789 R29.1@21.2,130.789 ; v4(31.3,113) 31.311,113.011 C42.2@31.311,114 31.311,114.811 31.6,115.1 32.2,115.1 32.95,115.85 U7.8@32.95,116.19 34.39,116.19 35.5,117.3 R18.1@35.5,118.389 ; C15.1@39.1,23.949 39.349,23.7 v1(40.8,23.7) C35.1@40.8,25.089 ; v3(39.3,49.4) 38.711,49.989 C24.1@38.711,50.5 38.711,50.96 C23.1@39.751,52 ; 41.4,145.7 42.9,145.7 43.789,146.589 C1.1@43.789,147.3 43.789,148.289 v4(43.8,148.3) ; v11(42.6,23.8) C17.1@42.6,25.089 ; v3(43,39.7) U5.3@43,40.55 ; U5.1@43,42.45 43.85,42.45 44.111,42.711 C7.1@44.8,42.711 45.789,42.711 v7(45.8,42.7) ; v3(44.3,49.4) C33.1@44.3,50.389 ; v3(49.975,49.6) C25.1@49.975,50.564 ; v2(88.389,23.611) R28.1@89.4,23.611 R27.1@91.4,23.611 R26.1@93.4,23.611 100.411,23.611 101.3,24.5 101.3,26.7 101.9,27.3 103.9,27.3 104.5,26.7 J6.2@104.5,25.6
  other v2: 42.5,121.9 42.5,123.5 40.9,124 42.5,125.1
3V3_RPI1: J1.17 J2.17 | length 9.6
  Top Layer w0.4: v5(56.6,14) 56.625,13.975 J2.17@57.81,13.975 ; v2(57.8,16.4) 57.8,13.985 J2.17@57.81,13.975 ; v5(59,14) 58.975,13.975 J2.17@57.81,13.975
  Bottom Layer w0.4: v5(56.6,14) 57.485,14 J1.17@57.81,14.325 ; v2(57.8,16.4) 57.8,14.335 J1.17@57.81,14.325 ; v5(59,14) 58.135,14 J1.17@57.81,14.325
3V3_RPI2: J1.1 J2.1 | length 9.6
  Top Layer w0.2: v2(78.1,16.4) 78.13,16.37 J2.1@78.13,13.975
  Top Layer w0.4: v9(76.9,14) 76.925,13.975 J2.1@78.13,13.975 79.275,13.975 v2(79.3,14)
  Bottom Layer w0.2: v2(78.1,16.4) 78.13,16.37 J1.1@78.13,14.325
  Bottom Layer w0.4: v9(76.9,14) 77.805,14 J1.1@78.13,14.325 78.455,14 v2(79.3,14)
5V: C4.1 C43.1 C48.1 C51.1 C52.1 C53.1 C55.1 C56.1 C57.1 C58.1 C59.1 C60.1 C71.2 D5.2 D6.2 FB1.1 J1.2 J1.4 J2.2 J2.4 J5.4 L1.2 R6.1 R45.2 R46.1 R55.1 R60.1 R61.1 R62.1 R63.1 U10.5 U11.4 U11.8 U13.8 U14.7 U15.1 U15.8 U16.12 U16.13 U17.12 U17.13 | length 64.7
  Top Layer w0.2: U11.4@59.475,115.35 60.15,115.35 v1(60.2,115.4) ; U16.13@95.5,45.5 96.7,45.5 ; U16.12@95.5,46.15 95.55,46.2 96.7,46.2 ; U17.13@95.5,56.2 96.7,56.2 ; U17.12@95.5,56.85 95.55,56.9 96.7,56.9
  Top Layer w0.4: 22,89 23.2,89 ; U10.5@23.2,93.05 23.2,92.189 C71.2@23.689,91.7 23.689,89.489 23.2,89 ; R55.1@23.3,87.211 23.2,87.311 23.2,89 ; v1(42.1,111.6) 42.067,111.567 FB1.1@42.067,110.4 42.067,109.333 v1@42.2,109.2 ; v1(48.4,110.3) R46.1@49.289,110.3 ; v4(53.1,119.9) 53.433,119.567 C52.1@54.9,119.567 56.244,119.567 C51.1@56.3,119.511 57.386,119.511 U11.8@57.525,119.65 ; R45.2@58.911,112.3 v1(59.8,112.3) ; R60.1@85.711,45.5 v2(86.8,45.5) ; R61.1@85.711,49 v2(86.8,49) ; R62.1@85.711,52.9 v2(86.7,52.9) ; R63.1@85.711,56.1 v2(86.7,56.1) ; 96.7,45.5 97.6,45.5 ; 96.7,46.2 96.9,46.2 97.6,45.5 ; 96.7,56.2 97.6,56.2 ; 96.7,56.9 96.9,56.9 97.6,56.2 ; C57.1@98.478,43.511 C57.1@98.489,43.5 v6@98.489,42.6 ; C59.1@98.478,54.311 C59.1@98.489,54.3 ; C57.1@98.489,43.6 98.489,44.611 97.6,45.5 ; v6@98.489,53.4 C59.1@98.489,54.3 ; D6.2@106.2,55.5 106.2,53.911 C60.1@106.211,53.9 v6@106.211,53 ; C58.1@106.3,43.311 D5.2@106.3,44.9 ; v6@106.311,42.4 C58.1@106.311,43.3 ; 97.6,56.2 98.489,55.311 C59.1@98.489,54.3
  Top Layer w1.5: J5.4@15.5,89 22,89
  Bottom Layer w0.2: v4(46.8,116.9) 46.65,116.9 46.05,117.5 46.075,117.525 46.075,118.6 47.475,120 U15.1@49.025,120 ; C55.1@55.9,125.2 55.9,126.354 56.346,126.8 U14.7@56.7,126.8 ; C55.1@55.911,125.2 55.911,124.289 v1(55.975,124.225)
  Bottom Layer w0.4: v4@46.65,116.9 46.622,116.9 46.611,116.889 C56.1@47.7,116.889 47.7,115.7 48.4,115 U15.8@49.025,115 ; v1(51.7,116.9) 51.711,116.889 C53.1@52.7,116.889 52.7,115.7 53.4,115 U13.8@54.025,115
  other v1: 42.1,109.2
  other v2: 80.2,7.1 81.4,8.4 80.1,9.8 52.6,98.6 55.8,98.6 47,106.8
  other v6: 106.3,42.2 98.478,42.4 106.2,52.8 98.478,53.2
8V: C47.1 C50.1 U8.1 U12.24 | length 13.9
  Top Layer w0.2: C50.1@51.2,106.75 U12.24@52.5,106.75
  Top Layer w0.4: U8.1@34.505,95.5 35.1,95.5 35.902,96.302 35.9,96.304 36,96.404 C47.1@36,99.4 ; v6(50.711,105.411) 50.711,106.3 C50.1@51.2,106.789
  Top Layer w0.8: C47.1@35.902,99.4 35.902,101.902 38,104 v10(38.7,104)
+1V2: C9.1 C36.1 C37.1 C38.1 C39.1 C40.1 C41.1 U5.5 U6.19 U6.28 U6.52 U6.89 U6.128 | length 14.9
  Top Layer w0.2: U6.89@32.5,37.75 33.85,37.75 v3(33.9,37.7) ; v7(44.2,27.4) 44.25,27.35 U6.128@44.25,26 ; v3(44.7,46.6) 44.75,46.65 U6.52@44.75,48 ; v3(53.1,37.2) 53.15,37.25 U6.19@54.5,37.25 ; v3(53.1,41.8) 53.15,41.75 U6.28@54.5,41.75
  Bottom Layer w0.4: v3(33.9,37.7) C40.1@34.889,37.7 ; 39.5,42.5 39.55,42.45 U5.5@40.4,42.45 ; v7(44.2,27.4) C41.1@44.2,28.389 ; C39.1@44.7,45.611 v3(44.7,46.6) ; C37.1@52,36.411 52,36.9 52.3,37.2 v3(53.1,37.2) ; C38.1@52.011,41.8 v3(53.1,41.8)
  Bottom Layer w0.8: C9.1@38.433,42.5 39.5,42.5
  other v6: 34.4,42.3 34.4,43.9 38.1,44.4
ADC_IN: U11.1 U12.10 | length 5.3
  Top Layer w0.2: U12.10@56.25,111 56.25,111.989 56.5,112.239 56.5,114.9 57,115.4 57.475,115.4 U11.1@57.525,115.35
AGND: C50.2 C51.2 C52.2 C53.2 C56.2 C62.2 C63.2 C64.2 C65.2 D8.1 D9.1 D10.1 D11.1 FB2.1 J8.G J8.SB J8.ST J9.G J10.G U11.2 U11.7 U12.1 U12.32 U12.33 U13.1 U13.4 U13.7 U15.4 U15.7 | length 35.2
  Top Layer w0.2: U12.33@55.6,107.9 56.75,106.75 ; U12.32@56.75,106 56.75,106.75 ; U12.1@57.5,106.75 56.75,106.75
  Top Layer w0.3: C50.2@51.2,108.211 v1(51.2,109.1)
  Bottom Layer w0.2: U15.7@49.675,115 49.7,115.025 49.7,116 ; U15.4@50.975,120 50.975,118.925 51,118.9 ; 53.5,118.311 54.025,118.836 U13.1@54.025,120 ; U13.7@54.675,115 54.7,115.025 54.7,116 ; U13.4@55.975,120 55.975,118.925 56,118.9
  Bottom Layer w0.3: C62.2@87.3,103.789 C64.2@90.5,103.789 C63.2@93.6,103.789 C65.2@96.8,103.789 v1@97.9,103.789
  Bottom Layer w0.4: v4(46.8,118.3) 46.622,118.3 46.611,118.311 C56.2@47.7,118.311 50.411,118.311 ; 49.7,116 49.7,117.6 50.411,118.311 ; 51,118.9 50.411,118.311 ; v1@51.8,118.3 51.811,118.311 C53.2@52.7,118.311 53.5,118.311 55.411,118.311 ; 54.7,116 54.7,117.6 55.411,118.311 ; 56,118.9 55.411,118.311
  other v1: 72.9,94.575 80.9,94.575 92.9,102.575 100.9,102.575 97.9,103.8 72.9,110.575 96.9,110.575 51.7,118.3 60.9,118.575 100.9,118.575 64.9,126.575 72.9,126.575 80.9,126.575 76.9,134.575 84.9,134.575 92.9,134.575 100.9,134.575 72.9,142.575 80.9,142.575 88.9,142.575 96.9,142.575 92.9,150.575 100.9,150.575
  other v2: 54.2,107.7 55.8,107.7 54.2,109.3 55.8,109.3
AMP_LINE_OUT: JP6.1 K1.8 | length 7.8
  Top Layer w0.4: JP6.1@69.5,144 70.58,142.92 K1.8@70.58,136.645
AMP_OUT: J9.TT K1.9 | length 33.2
  Top Layer w0.4: K1.9@68.04,136.645 68.04,134.56 68.6,134 72.5,134 74,135.5 74,144.8 78.2,149 J9.TT@87.3,149
CIRRUS.MCLK: J1.7 J2.7 | length 4.5
  Top Layer w0.4: J2.7@70.51,13.975 v2(70.51,16.39)
  Bottom Layer w0.4: J1.7@70.51,14.325 v2(70.51,16.39)
CIRRUS.WM5102_GPIO3: J1.22 J2.22 | length 4.7
  Top Layer w0.4: v2@52.73,6.5 J2.22@52.73,9.025
  Bottom Layer w0.4: v2(52.7,6.5) 52.7,8.645 J1.22@52.73,8.675
CIRRUS.WM5102_GPIO5: J1.18 J2.18 | length 4.7
  Top Layer w0.4: v2@57.81,6.5 J2.18@57.81,9.025
  Bottom Layer w0.4: v2(57.8,6.5) 57.8,8.665 J1.18@57.81,8.675
CIRRUS.WM5102_IRQ: J1.13 J2.13 | length 4.5
  Top Layer w0.4: J2.13@62.89,13.975 v2(62.89,16.39)
  Bottom Layer w0.4: J1.13@62.89,14.325 v2(62.89,16.39)
CIRRUS.WM5102_LDO_EN: J1.15 J2.15 | length 4.4
  Top Layer w0.4: J2.15@60.35,13.975 v2(60.35,16.35)
  Bottom Layer w0.4: J1.15@60.35,14.325 v2(60.35,16.35)
CIRRUS.WM5102_RST: J1.11 J2.11 | length 4.5
  Top Layer w0.4: v2(65.4,16.4) 65.4,14.005 J2.11@65.43,13.975
  Bottom Layer w0.4: v2(65.4,16.4) 65.4,14.355 J1.11@65.43,14.325
CIRRUS.WM8804_I2C_CFG: J1.33 J2.33 | length 4.5
  Top Layer w0.4: J2.33@37.49,13.975 37.49,16.39 v2(37.5,16.4)
  Bottom Layer w0.4: J1.33@37.49,14.325 37.5,14.335 v2(37.5,16.4)
CIRRUS.WM8804_IF_CFG: J1.16 J2.16 | length 4.7
  Top Layer w0.2: v2@60.35,6.5 J2.16@60.35,9.025
  Bottom Layer w0.2: J1.16@60.35,8.675 60.35,6.55 v2(60.4,6.5)
CIRRUS.WM8804_RST: J1.24 J2.24 | length 4.7
  Top Layer w0.4: v2@50.19,6.5 J2.24@50.19,9.025
  Bottom Layer w0.4: J1.24@50.19,8.675 50.19,6.51 v2(50.2,6.5)
DC_IN: C5.1 C6.1 C13.1 D7.2 F1.2 U3.5 U3.7 U8.8 | length 12.4
  Top Layer w0.2: v1(40.8,89.8) 41.495,89.8 U3.5@41.595,89.9
  Top Layer w0.4: D7.2@34.505,82.845 D7.2@34.65,82.7 ; U3.7@44.135,89.9 44.135,88.765 45.114,87.786 C6.1@45.114,86.3
  Bottom Layer w0.2: v1(40.8,89.8) 43.9,86.7 v1(46.9,86.7)